# KiCad board Soldered Inkplate 4 TEMPERA with glass panel_panel.kicad_pcb (continued)
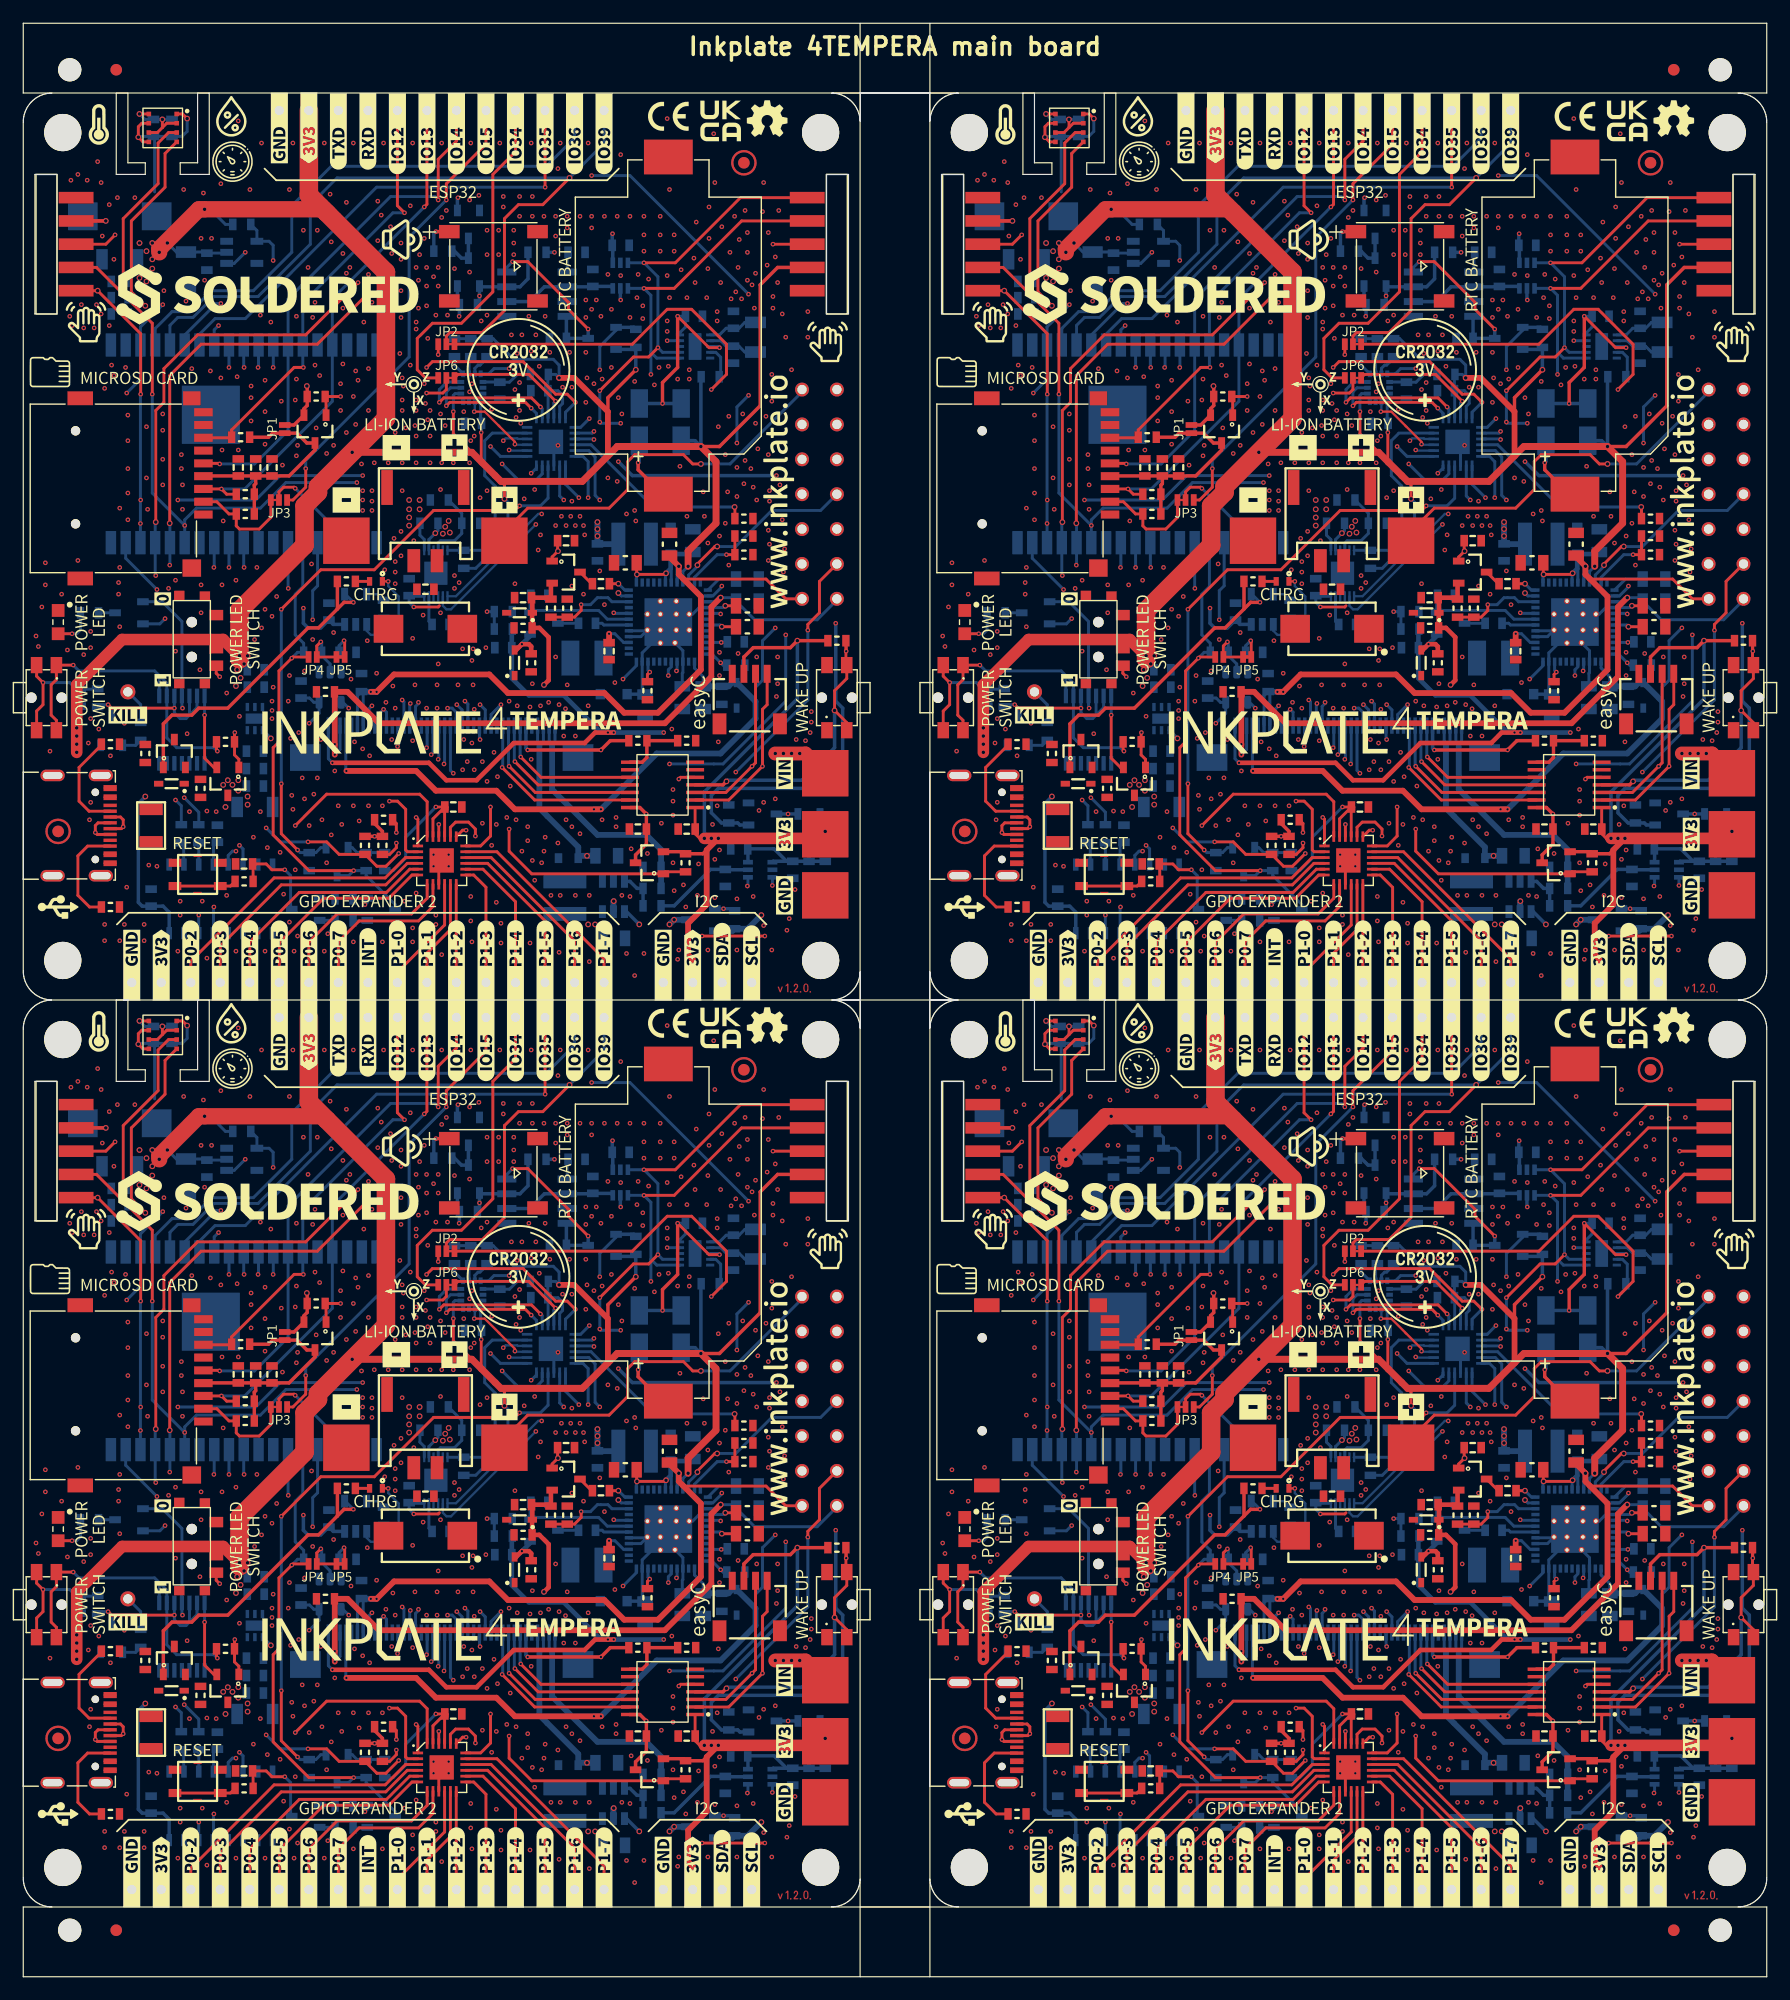
[diagram p0: board, top side]
## Routing (per net, layer and track width the routed paths; a pad name or vN(x,y) marks a point on that pad's centre or on a via; arc(x,y) is an arc through that point) (continued)
  Bottom w0.254: Q3#2.3 110,14.2 107.5,16.7 R22#4.1 v1(106.43,17.12) 106,16.7 Q1#4.3 ; v1(101.1,35.4) 101.6,35.9 R45#3.1 102.13,36.68 101.4,37.4 101.4,40.9 102.05,41.55 U14#4.25
Board_3-GPIO_0_MOSFET: length 53.7
  Top w0.254: v1(120.7,48.5) 120.3,48.1 113.3,48.1 108.2,43 103.6,43 v1(100.2,39.6) ; v1(101.6,18.9) 100.2,20.3 v1(100.2,24.6)
  Bottom w0.254: v1(101.6,18.9) 101.83,18.68 R20#2.2 103.18,18.68 103.6,19.1 Q1#4.1 ; v1(100.2,39.6) v1(100.2,24.6) ; U13#3.10 123.15,49.15 122.5,48.5 v1(120.7,48.5)
Board_3-GPIO_36: length 137
  Top w0.254: SW3#4.2 148.85,29.85 v2(147.8,30.9) 147.8,32.6 148.85,33.65 SW3#4.2 148.78,34.88 R41.1 148.8,36.88 v1(148.8,36)
  Top w0.3: v2(138.5,24.8) 138.2,24.5 U10#4.4
  In1.Cu w0.254: v1(139.4,53.9) 141.6,51.7 141.6,38.1 143.7,36 v1(148.8,36) ; v1(140.4,66.7) v1(140.4,58) ; v1(126.9,76.9) 125.43,78.37 K25#2.1
  Bottom w0.254: v1(139.4,53.9) 139.4,57 v1(140.4,58) ; K25#2.1 125.43,80.13 123,77.7 104.5,77.7 101.1,74.3 101.1,70.3 97.8,67 94.2,67 92.4,65.2 90.8,65.2 89.35,63.75 U14#4.4 ; v1(126.9,76.9) 130.2,76.9 v1(140.4,66.7)
  Bottom w0.3: v2(147.8,30.9) 147.8,27.7 145,24.9 138.6,24.9 v2(138.5,24.8)
Board_3-GPIO_39: length 71.9
  Top w0.254: JP2#2.2 114.4,63.1 114.7,63.4 117.5,63.4 119.4,65.3 119.4,73.2 120.6,74.4 122.7,74.4 v2(125,76.7)
  Bottom w0.254: U14#4.5 90.62,64.02 91.3,64.7 92.6,64.7 94.4,66.5 98.2,66.5 102.7,71 102.7,74.4 105,76.7 v2(125,76.7) 127.97,79.67 K24#4.1
Board_3-GPOUT_FG: length 17.2
  Bottom w0.254: U5#3.12 R26#4.2 117.48,44.68 118.6,45.8 118.6,50.2 117.7,51.1 117.7,54.1 118.35,54.75 U13#3.17
Board_3-I2C_SCL: length 323.3
  Top w0.254: v2(88.5,65.7) 87.3,66.9 87.3,73 90.2,75.9 90.2,78.8 U19#3.4 ; v1(110.1,19.5) 110.1,19.1 109.53,18.53 R1#4.1 ; v1(131.4,69.4) 134.1,69.4 139.7,75 K43#2.1 ; v1(136.4,11.5) v1(141.8,11.5) ; v1(116.1,20.6) 115.8,20.6 U15#3.19 ; v1(88.1,58.1) 88.1,63.3 v2(84.4,67) K42.1 ; v1(121.7,56.9) 121.2,57.4 114.7,57.4 v1(114.4,57.1) ; v1(132.6,62.1) 131.8,61.3 130.5,61.3 v1(127.6,58.4) ; U10#4.2 138.7,23.2 v1(141.6,26.1) 141.6,31 142,31.4 K4.1
  In1.Cu w0.254: v2(84.4,67) 87.2,67 v2(88.5,65.7) ; v1(110.1,19.5) 111.08,20.48 115.98,20.48 v1(116.1,20.6) 118.7,20.6 120.1,19.2 120.1,14.4 123,11.5 v1(136.4,11.5) ; v1(134.2,34.3) 134.2,33.5 145.3,22.4 145.3,18.7 v1(142.45,15.85) 142.45,12.15 140.67,10.37 K6#2.1 ; v1(127.6,55.7) 127.9,55.4 127.9,54 122.1,48.2 v1(122.1,46.9) ; v1(127.6,58.4) 127.3,58.1 122.4,58.1 121.7,57.4 v1(121.7,56.9) 121.7,53.9 118.9,51.1 v1(107.2,51.1) ; v1(104.5,20.2) 98.6,20.2 97.6,21.2 91.68,21.2 88.4,24.47 88.4,33.5 86.9,35 86.9,43.4 88.08,44.58 v1(88.08,46.98) ; K1.6 146.6,56.9 135,56.9 133.7,55.6 v1(129.4,55.6) ; v1(91.3,49) v1(88.1,49)
  In2.Cu w0.254: v1(110.1,19.5) 105.2,19.5 v1(104.5,20.2)
  Bottom w0.2: U5#3.2 114.1,39.9 114.4,39.6 114.8,39.6 v1(122.1,46.9)
  Bottom w0.254: U16.3 v1(131.4,69.4) 132.6,68.2 v1(132.6,62.1) 133,61.7 U8#4.7 ; v1(91.3,49) 98,49 100.1,51.1 v1(107.2,51.1) ; v1(127.6,58.4) v1(127.6,55.7) 127.7,55.6 v1(129.4,55.6) ; U17#4.13 114.75,58.65 114.4,58.3 v1(114.4,57.1) ; v1(88.1,58.1) 88.08,58.08 v1(88.08,46.98) U14#4.36 ; U13#3.19 122.15,56.45 v1(121.7,56.9) ; v1(134.2,34.3) 134.25,34.35 U1#3.17 ; U9#3.3 v1(142.45,15.85)
Board_3-I2C_SCL_B: length 15.8
  Top w0.254: U10#4.13 122,23.2 v1(119.2,26)
  Bottom w0.254: v1(119.2,26) 119.25,26.05 K12#3.10
Board_3-I2C_SDA: length 316.9
  Top w0.254: K42.2 84.3,69 89.1,64.2 v1(89.1,58.1) ; K43#2.2 139.8,73 134,67.2 v1(131.4,67.2) ; v1(113.8,57.4) 114.18,57.78 121.72,57.78 v1(122.5,57) ; 86.6,66.7 86.6,73.2 89.6,76.2 89.6,79.7 90.5,80.6 U19#3.3 ; K4.2 141,26.4 v1(140.7,26.1) 138.45,23.85 U10#4.3 ; v1(110.3,18.6) 109.2,17.5 108.43,17.5 R2#2.1 105.18,18.53 104.1,19.6 v1(102.5,19.6) ; v1(116.9,20.1) 116.9,20.7 116.3,21.3 115.2,21.3 114.75,20.85 U15#3.20
  In1.Cu w0.254: 129.05,56.85 129,56.8 122.7,56.8 v1(122.5,57) ; 129.05,56.85 v1(132,59.8) ; 129.05,56.85 128.5,56.3 128.5,53.8 ; 128.5,53.8 129.4,54.7 141.3,54.7 142,54 146.5,54 K1.5 ; 128.5,53.8 122.6,47.9 v1(122.6,47.8) ; v1(98.9,20.8) 98,21.7 91.88,21.7 89.2,24.38 89.2,33.8 87.6,35.4 87.6,42.6 91.81,46.81 v1(91.89,46.81) ; 138.7,10.9 140.3,12.5 v1(140.3,15.8) 144.5,20 144.5,22.3 133.5,33.3 v1(133.5,33.9) ; 138.7,10.9 122.9,10.9 119.6,14.2 119.6,18.8 118.3,20.1 111.8,20.1 v1(110.3,18.6) ; 138.7,10.9 138.13,10.33 K7.1 ; 125,56.8 125,56.5 119,50.5 v1(106.7,50.5)
  Bottom w0.2: U5#3.1 115.23,40.72 122.3,47.8 v1(122.6,47.8)
  Bottom w0.254: v1(122.5,57) 122.65,56.85 U13#3.20 ; U9#3.4 140.35,15.85 v1(140.3,15.8) ; v1(91.89,46.81) 89.1,49.6 v1(89.1,58.1) ; v1(91.89,46.81) U14#4.33 ; v1(91.89,46.81) 91.89,47.29 92.9,48.3 98.4,48.3 100.6,50.5 v1(106.7,50.5) ; 132,61.7 132,66.6 v1(131.4,67.2) U16.4 ; 132,61.7 132.5,61.2 U8#4.6 ; 132,61.7 v1(132,59.8) ; v1(133.5,33.9) 133.5,34.4 133.75,34.65 U1#3.18 ; v1(113.8,57.4) 113.8,58.5 114.45,59.15 U17#4.14 ; v1(98.9,20.8) 100.1,19.6 v1(102.5,19.6)
Board_3-I2C_SDA_B: length 14.9
  Top w0.254: U10#4.12 122.05,23.85 v1(119.8,26.1)
  Bottom w0.254: v1(119.8,26.1) 119.75,26.15 K12#3.9
Board_3-INT: length 21.9
  In1.Cu w0.254: v1(125.8,49.2) 126.6,50 131.4,50 138.1,43.3 v1(138.1,41.6)
  Bottom w0.254: v1(125.8,49.2) 124.65,50.35 U13#3.7 ; U1#3.2 137.33,40.75 138.1,41.52 v1(138.1,41.6)
Board_3-INT1_LSM: length 11.2
  In1.Cu w0.254: v1(119.3,54.1) 119.3,57.4 119.8,57.9 v1(119.8,60.3)
  Bottom w0.2: v1(119.3,54.1) 119.5,54.3 120.5,54.3 120.55,54.25 U13#3.16
  Bottom w0.254: v1(119.8,60.3) 118.5,60.3 118.05,59.85 U17#4.4
Board_3-INT2_LSM: length 6.7
  Top w0.2: v1(120.3,53.8) 120.3,54 117.7,56.6 v1(116.8,56.6)
  Bottom w0.2: v1(120.3,53.8) 120.35,53.75 U13#3.15 ; U17#4.9 116.85,56.65 v1(116.8,56.6)
Board_3-INT_APDS: length 86.7
  Top w0.254: K42.3 85.1,71 v1(85.9,71.8) ; v1(142.5,71) K43#2.3
  In1.Cu w0.254: 118.9,60.3 119.6,61 132.5,61 v1(142.5,71) ; 118.9,60.3 118.8,60.2 118.8,52.5 v1(119.2,52.1) ; 118.9,60.3 118.4,59.8 114.6,59.8 112,62.4 110,62.4 100,72.4 93.1,72.4 92.5,71.8 v1(85.9,71.8)
  Bottom w0.254: U13#3.11 122.65,51.25 122.1,50.7 120.6,50.7 v1(119.2,52.1)
Board_3-MANUAL_RST: length 83.8
  Top w0.254: R32#2.2 97.78,17.66 C34#3.2 98.9,17.7 99.4,17.2 v1(100.5,17.2)
  In1.Cu w0.254: v1(100.5,17.2) 99.5,17.2 96.7,20 89.8,20 86.6,23.2 86.6,29.1 84.7,31 84.7,31.9 84.53,32.07 84.53,56.93 97.2,69.6 v1(99.5,69.6)
  Bottom w0.254: v1(99.5,69.6) 99.5,70.9 99.15,71.25 U4#3.4 98.1,72.17 R27#3.1 ; v1(100.5,17.2) 101,16.7 101,13.9 Q2.3
Board_3-Net-(C16-Pad1): length 1.8
  Bottom w0.254: C16#4.1 D6.3
Board_3-Net-(C17-Pad2): length 1.5
  Top w0.254: D7#4.3 126.9,41.8 C17.2
Board_3-Net-(C28-Pad1): length 2.5
  Bottom w0.254: U5#3.5 112.9,38.57 C28#2.1
Board_3-Net-(C33-Pad2): length 2.1
  Bottom w0.254: U6#4.4 94.37,19.24 C33#2.2
Board_3-Net-(C35-Pad2): length 11
  Top w0.254: SW2#2.2 79.15,30.85 79.7,31.4 v1(79.7,33.3) 79.15,33.85 SW2#2.2
  Bottom w0.254: v1(79.7,33.3) 82,33.3 82.57,32.73 C35#3.2 84.36,32.73 R37#2.1
Board_3-Net-(C43-Pad1): length 11.7
  Bottom w0.3: U9#3.1 142.53,17.93 C45#3.1 ; C45#3.1 143.67,17.93 142.6,19 C47#3.2 140.35,18.98 U9#3.6 ; C45#3.1 C44#3.1 ; C44#3.1 C43.1 ; C44#3.1 Q9#2.3
Board_3-Net-(C46-Pad2): length 2.6
  Top w0.254: v1(105.6,36.9) 105.65,36.85 JP5#3.2
  Bottom w0.254: v1(105.6,36.9) 105.17,36.47 C46#2.2
Board_3-Net-(C68-Pad2): length 1.7
  Bottom w0.254: U18#4.5 124.8,70.23 C68.2
Board_3-Net-(D8-Pad1): length 1.1
  Top w0.254: 106.68,42 D8#3.1
Board_3-Net-(D8-Pad2): length 8.7
  Top w0.2: v1(109.4,42) D8#3.2
  Bottom w0.2: U2#4.1 107.55,37.75 107.9,37.4 109.9,37.4 110.3,37.8 110.3,40.7 109.4,41.6 v1(109.4,42)
Board_3-Net-(D9-Pad1): length 3.5
  Top w0.254: v1(82.2,37.5) D9.1
  Bottom w0.254: v1(82.2,37.5) 82.6,37.5 82.93,37.82 R31#4.2
Board_3-Net-(D12-Pad1): length 6.2
  Top w0.3: 133.5,49 130.9,51.6 v1(130.9,52.2)
  Bottom w0.3: v1(130.9,52.2) 131,52.3 D12#4.1
Board_3-Net-(JP2-Pad3): length 34.5
  Top w0.254: JP2#2.3 130.4,62.4 133.4,65.4 135.5,65.4 138.5,62.4 138.5,59.8 v1(137.2,58.5)
  Bottom w0.254: v1(137.2,58.5) 137.88,59.17 R40#4.1 138,59.72 138,61.28 137.58,61.7 U8#4.4
Board_3-Net-(JP3-Pad1): length 9.3
  Top w0.254: JP3#4.1 99.3,47.5 98.3,46.5 96.6,46.5 96.33,46.78 R42.1 95.7,47.8 94.65,48.85 K10.2
Board_3-Net-(JP4-Pad2): length 6.1
  Top w0.254: JP5#3.1 JP4#4.2 103.25,36.45 v1(103.6,36.8)
  Bottom w0.254: U11.2 104.4,34.9 103.68,35.62 R45#3.2 103.68,36.72 v1(103.6,36.8)
Board_3-Net-(JP6-Pad3): length 29.4
  Top w0.254: K17#3.1 120.35,78.95 118.4,77 118.4,66.9 115.7,64.2 113.2,64.2 111.9,62.9 111.9,60.2 112.6,59.5 JP6#4.3
Board_3-Net-(K2-PadA5): length 8.7
  Top w0.254: K2#4.A5 83.66,22.24 82.8,23.1 82.8,26 84.73,27.93 R18.1
Board_3-Net-(K2-PadB5): length 9
  Top w0.254: K2#4.B5 83.54,19.24 82.7,18.4 82.7,15 83.7,14 R17#2.1
Board_3-Net-(K9-Pad1): length 3.1
  Bottom w0.254: K9#2.1 88.1,31.4 R33#3.2
Board_3-Net-(K15-Pad1): length 42.5
  Top w0.254: v1(122.9,75.9) 122.89,75.91 K15#4.1
  Bottom w0.254: U14#4.7 93.16,63.26 94.5,64.6 97.1,64.6 108.4,75.9 v1(122.9,75.9)
Board_3-Net-(K26-Pad1): length 25.1
  Top w0.254: U15#3.3 110.89,18.25 109.14,16.5 99.58,16.5 92.41,9.33 K26#3.1
Board_3-Net-(K27-Pad1): length 23.1
  Top w0.254: K27.1 94.95,10.65 100.2,15.9 109.19,15.9 111.04,17.75 U15#3.4
Board_3-Net-(K28-Pad1): length 20.5
  Top w0.254: K28.1 97.49,10.99 101.75,15.25 109.25,15.25 111.25,17.25 U15#3.5
Board_3-Net-(K29-Pad1): length 17.8
  Top w0.254: K29#3.1 100.03,10.93 103.85,14.75 109.45,14.75 111.45,16.75 U15#3.6
Board_3-Net-(K30-Pad1): length 16.4
  Top w0.254: U15#3.7 112.75,14.75 111.4,13.4 105,13.4 102.57,10.97 K30.1
Board_3-Net-(K31-Pad1): length 14.8
  Top w0.254: U15#3.8 113.25,14.05 112,12.8 106.9,12.8 105.11,11.01 K31#4.1
Board_3-Net-(K33-Pad1): length 10.1
  Top w0.254: U15#3.10 114.25,12.45 110.19,8.39 K33#2.1
Board_3-Net-(K34-Pad1): length 9.3
  Top w0.254: U15#3.11 114.75,12.05 112.73,10.03 K34#3.1
Board_3-Net-(K35-Pad1): length 8.5
  Top w0.254: U15#3.12 115.25,7.52 K35#4.1
Board_3-Net-(K36-Pad1): length 10.4
  Top w0.254: U15#3.13 116.75,16.75 117.81,15.69 K36#2.1
Board_3-Net-(K37-Pad1): length 12.4
  Top w0.254: U15#3.14 117.55,17.25 120.35,14.45 K37#2.1
Board_3-Net-(K38-Pad1): length 14.2
  Top w0.254: K38.1 122.89,12.81 117.95,17.75 U15#3.15
Board_3-Net-(K39-Pad1): length 15.9
  Top w0.254: U15#3.16 118.25,18.25 125.43,11.07 K39#2.1
Board_3-Net-(K40-Pad1): length 17.8
  Top w0.254: K40.1 127.97,9.53 118.75,18.75 U15#3.17
Board_3-Net-(K41-Pad1): length 20.1
  Top w0.254: R55#2.2 110.1,21.18 v1(110.1,20.4) ; U15#3.22 v1(113.75,21.1)
  In1.Cu w0.254: K41#2.1 107.65,13.25 108.7,14.3 108.7,19 v1(110.1,20.4) 110.8,21.1 v1(113.75,21.1)
Board_3-Net-(Q1-Pad2): length 3.3
  Bottom w0.254: Q1#4.2 106.3,19.1 106.73,18.68 R22#4.2 R21#2.1
Board_3-Net-(Q2-Pad1): length 1.3
  Bottom w0.254: Q2.1 104.78,14.75 R29#3.1
Board_3-Net-(Q3-Pad1): length 1.2
  Bottom w0.254: R30.1 107.55,12.8 Q3#2.1
Board_3-Net-(Q4-Pad2): length 10.9
  Top w0.254: S1#4.3 94.6,34.1 v1(94.9,33.8)
  In1.Cu w0.254: v1(90.2,38.8) 91.9,37.1 93.2,37.1 94.9,35.4 v1(94.9,33.8)
  Bottom w0.254: Q4#2.2 89.75,38.35 v1(90.2,38.8)
Board_3-Net-(Q4-Pad3): length 1.4
  Bottom w0.254: R31#4.1 Q4#2.3
Board_3-Net-(Q5-Pad1): length 1.7
  Bottom w0.254: Q5#2.1 87.68,27.9 R33#3.1
Board_3-Net-(Q5-Pad3): length 14.7
  Top w0.254: v1(85.3,31.4) 85.6,31.1 v1(91,31.1)
  Bottom w0.254: 92.3,30.5 92,30.2 91.5,30.2 91,30.7 v1(91,31.1) U7#4.10 ; 92.3,30.5 92.95,31.15 U7#4.13 ; 92.3,30.5 U7#4.12 ; R37#2.2 84.58,31.4 v1(85.3,31.4) 85.6,31.1 Q5#2.3
Board_3-Net-(Q14-Pad3): length 3.4
  Bottom w0.3: Q15#2.3 Q14.3 115.7,69.8 115.1,70.4 R62.1
Board_3-Net-(R23-Pad1): length 1.7
  Bottom w0.2: U2#4.5 108.48,40.9 R23.1
Board_3-Net-(R32-Pad1): length 5.4
  Top w0.254: R32#2.1 95.83,15.8 90.95,15.8
Board_3-Net-(R36-Pad1): length 28.2
  Top w0.254: v1(82.3,34.8) SW2#2.1 80.85,33.55 80.4,33.1 80.4,30.5 80.85,30.05 SW2#2.1 ; R36#2.1 94.63,27.47 v1(94.7,27.4)
  Bottom w0.254: 89.7,33.9 89.3,34.3 82.8,34.3 v1(82.3,34.8) ; 89.7,33.9 U7#4.8 ; 89.7,33.9 90.35,33.25 U7#4.9 90.35,28.55 91.2,27.7 94.4,27.7 v1(94.7,27.4)
Board_3-Net-(R46-Pad1): length 5.7
  Top w0.3: R47.1 R46.1 131.65,26.85 131.25,26.45 U10#4.8
Board_3-Net-(R49-Pad2): length 3.3
  Bottom w0.3: U12#3.3 130.2,16.2 130.8,15.6 R49#4.2 R50#2.1
Board_3-Net-(R56-Pad2): length 1.8
  Bottom w0.254: U17#4.1 115.1,60.6 R56#4.2
Board_3-Net-(R57-Pad2): length 1.5
  Bottom w0.254: U17#4.2 116.35,61.17 R57#3.2
Board_3-Net-(R58-Pad2): length 2
  Bottom w0.254: R58.2 117.9,61.2 117.3,60.6 117.13,60.6 116.85,60.32 U17#4.3
Board_3-Net-(R62-Pad2): length 2.9
  Top w0.3: U20#4.1 v1(113.5,72.08)
  Bottom w0.3: R62.2 113.33,71.91 v1(113.5,72.08)
Board_3-OUT: length 18.8
  In1.Cu w0.3: v1(117.25,66.55) 117.25,73.15 v1(115.4,75)
  Bottom w0.3: v1(115.4,75) 115.35,74.95 Q15#2.1 ; R61#3.1 117.25,65.97 Q14.1 117.32,67.33 U18#4.3 120.74,67.33 121.43,68.03 R59#3.2
Board_3-POT_A: length 9.7
  Bottom w0.3: U18#4.2 121.57,66.06 122.84,67.33 U18#4.6 126.97,67.33 C62.2 128.55,67.37 U16.6
Board_3-POT_W: length 9.1
  In1.Cu w0.3: v1(123.7,70.3) 124,70.3 128.1,66.2 v1(129.4,66.2)
  Bottom w0.3: R59#3.1 v1(123.7,70.3) ; U16.5 129.37,66.23 v1(129.4,66.2)
Board_3-PWR_GOOD: length 23.7
  In1.Cu w0.254: v1(129.6,33.6) 123.2,40 123.2,47.7 v1(124.5,49)
  Bottom w0.254: v1(129.6,33.6) 130.75,34.75 U1#3.24 ; U13#3.8 124.15,49.35 v1(124.5,49)
Board_3-PWRUP: length 24.3
  Top w0.254: v1(131.9,34.2) 131.7,34 R5#3.1
  In1.Cu w0.254: v1(127.6,49) 130,46.6 130,36.1 v1(131.9,34.2)
  Bottom w0.254: v1(127.6,49) 127.2,49.4 127.2,52.7 126.65,53.25 U13#3.5 ; U1#3.22 131.75,34.35 v1(131.9,34.2)
Board_3-RST: length 123.6
  Top w0.254: v1(125.5,57.4) 124.8,58.1 123.8,58.1 121,60.9 113.2,60.9 v1(112.7,60.4) ; U15#3.24 112.75,23.05 112.1,23.7 104.1,23.7 v1(101.4,21)
  In1.Cu w0.254: v1(112.7,60.4) 112.4,60.1 110,60.1 99.8,70.3 v1(97.1,70.3) 94.5,70.3 v1(90,65.8) ; v1(86.9,58.2) 85.5,56.8 85.5,32 87.5,30 87.5,23.5 90.4,20.6 97.2,20.6 v1(97.8,20)
  In2.Cu w0.254: v1(101.4,21) 100.4,20 v1(97.8,20)
  Bottom w0.254: v1(97.1,70.3) 96.15,69.35 U4#3.1 ; v1(125.5,57.4) 124.65,56.55 U13#3.24 ; v1(86.9,58.2) 88.08,59.38 U14#4.3 88.08,63.88 v1(90,65.8)
Board_3-RXD: length 77.5
  Top w0.254: v2(90.6,47) 90.6,59.7 93.3,62.4 103.3,62.4 107.7,66.8 v1(107.7,68.4)
  In1.Cu w0.254: v1(90.6,43.4) 89.3,43.4 88.3,42.4 88.3,35.9 89.7,34.5 89.7,24.6 v1(91.1,23.2) ; K18#3.1 107.65,68.45 v1(107.7,68.4)
  Bottom w0.254: R35.2 91.6,22.7 v1(91.1,23.2) ; v2(90.6,47) 90.62,46.98 U14#4.34 90.62,43.42 v1(90.6,43.4)
Board_3-SD_ENABLE: length 21.1
  Top w0.254: v1(105.3,57.9) R39#3.2 104.05,57.83 Q8#3.1
  In1.Cu w0.254: v1(105.3,57.9) 109.6,53.6 v1(118.2,53.6)
  Bottom w0.254: v1(118.2,53.6) 119.05,52.75 U13#3.13
Board_3-SPI_CS: length 8.3
  Top w0.254: JP3#4.2 100,49.7 100.4,50.1 101.3,50.1 v1(101.4,50)
  Bottom w0.254: v1(101.4,50) 104.59,46.81 U14#4.23
Board_3-SPI_MISO: length 38.1
  Top w0.254: v1(110.8,73.7) 110.19,74.31 K20#3.1 ; v1(102.1,60.4) 101.3,60.4 95.93,55.03 R44.1 95.88,54.35 K10.7
  Bottom w0.254: v1(102.1,60.4) 102.05,60.45 U14#4.14 102.05,65.95 109.8,73.7 v1(110.8,73.7)
Board_3-SPI_MOSI: length 44.1
  Top w0.254: v1(112.5,74.2) 112.73,74.43 K21#2.1 ; R43#3.1 95.5,49.5 v1(95.05,49.95) K10.3
  Bottom w0.254: v1(95.05,49.95) 97.05,49.95 104.59,57.49 U14#4.16 104.59,66.29 v1(112.5,74.2)
Board_3-SPI_SCK: length 44.8
  Top w0.254: v1(94.9,52.1) 94.85,52.15 K10.5 ; v1(113.7,74.8) 113.7,78.3 115.27,79.87 K19#2.1
  Bottom w0.254: v1(94.9,52.1) 97.9,52.1 100.78,54.98 U14#4.13 100.78,66.28 109.6,75.1 113.4,75.1 v1(113.7,74.8)
Board_3-SW_IN: length 6.5
  Top w0.254: v1(93.6,30.5) 93.6,26.8 94.4,26 94.45,26
  Bottom w0.254: U7#4.14 v1(93.6,30.5)
Board_3-SW_OUT_D: length 20.1
  Top w0.254: Q6#2.1 96.55,26.7 96.18,27.07 R36#2.2 96.18,28.97 v1(96.2,29)
  In1.Cu w0.254: v1(91.7,31.1) 94.1,31.1 v1(96.2,29)
  Bottom w0.254: Q4#2.1 89.95,40.25 91.65,38.55 U7#4.11 91.65,31.15 v1(91.7,31.1)
Board_3-TOUCH_EN: length 28.9
  Top w0.254: v1(111.8,21.7) 111.95,21.55 U15#3.1 ; v1(119.8,20.7) 119.8,18.8 121.75,16.85 Q11#2.1 133.25,17.03 R52#3.2
  In1.Cu w0.254: v1(111.8,21.7) 118.8,21.7 v1(119.8,20.7)
Board_3-TOUCH_INT_B: length 13.8
  Top w0.254: v1(120.3,26.5) 122.3,24.5 U10#4.11
  Bottom w0.254: K12#3.8 120.25,26.55 v1(120.3,26.5)
Board_3-TOUCH_RESET: length 33.5
  Top w0.254: U15#3.2 111.05,18.75 110.9,18.9 110.9,22.4 110.2,23.1 v1(109.5,23.1) ; v1(134.4,25) 134.55,25.15 U10#4.5
  In1.Cu w0.254: v1(134.4,25) 123.3,25 122,23.7 110.1,23.7 v1(109.5,23.1)
Board_3-TOUCH_RESET_B: length 12.9
  Top w0.254: v1(120.8,26.9) 122.55,25.15 U10#4.10
  Bottom w0.254: K12#3.7 120.75,26.95 v1(120.8,26.9)
Board_3-TXD: length 76.8
  Top w0.254: v2(89.4,47.1) 89.4,56.7 90.1,57.4 90.1,60.3 93,63.2 102.3,63.2 v1(106.8,67.7)
  In1.Cu w0.254: v1(106.8,67.7) 106.8,76.7 105.11,78.39 K16#2.1 ; v1(89.4,42.5) 88.9,42 88.9,36.4 90.3,35 90.3,24.95 v1(91.85,23.4)
  Bottom w0.254: v2(89.4,47.1) 89.35,47.05 U14#4.35 89.35,42.55 v1(89.4,42.5) ; R34#2.2 93.1,22.15 v1(91.85,23.4)
Board_3-VBAT: length 40.3
  Top w0.254: 113.8,39.9 113.7,39.8 v1(111.6,39.8) ; v2(136.3,52.1) 135.6,52.1 134.8,52.9 130.6,52.9 130,52.3 130,49.9 128.4,48.3 121.4,48.3 119.33,46.22
  Bottom w0.254: U5#3.8 112.9,45.6 v2(113.45,46.15) 113.68,46.38 R24#4.2 ; U5#3.6 111.25,40.72 C29.2 111.2,40.2 v1(111.6,39.8) ; K1.8 145,58.3 138.8,52.1 v2(136.3,52.1)
  vias: v2(114.1,46.1) v2(114.3,46.7) v2(114.6,47.2) v2(114.7,46.2)
Board_3-VCOM: length 73.8
  Top w0.5: v1(127.7,22.4) 120.3,22.4 118.7,24 113.5,24 111.8,25.7 v1(105.8,25.7)
  In1.Cu w0.254: v1(142.7,38) 142.7,48.5 143.7,49.5 K1.11
  Bottom w0.254: v1(105.8,25.7) 105.75,25.75 K12#3.37 ; 141,31.67 141,32.9 141.6,33.5 141.6,36.9 v1(142.7,38) ; U1#3.14 135.75,34.55 136.5,33.8 C7#2.2
  Bottom w0.5: v1(127.1,22.4) v1(127.7,22.4) 132.5,27.2 138,27.2 141,30.2 141,31.67 D4#3.1 139,33.3 138.68,32.97 R9.2 C7#2.2
Board_3-VCOM_CTRL: length 28.4
  In1.Cu w0.254: v1(138,35) 137.2,35.8 137.2,43.4 131.1,49.5 126.9,49.5 v1(126.6,49.2)
  Bottom w0.254: U13#3.6 126.15,52.75 126.6,52.3 v1(126.6,49.2) ; R4.1 138.2,34.8 137.25,35.75 U1#3.12
Board_3-VDDH: length 70.8
  Top w0.254: K1.2 146.5,42 146.5,39.3 145.5,38.3 v1(145.5,37.8)
  Top w0.4: D7#4.2 123.4,41.75 R15#3.2 123.28,40.6 C15#4.2 121.8,40.53 D3#2.2 121.78,39.28 R8#3.2 122.4,38 123.2,37.2 123.2,33.5 v2(122.8,33.1)
  In2.Cu w0.254: 122,32.4 124.1,32.4 130.9,25.6 v1(139.3,25.6)
  In2.Cu w0.4: v2(122.8,33.1) 122.1,32.4 109.1,32.4 v1(108,31.3)
  Bottom w0.254: v1(145.5,37.8) 145.5,31.8 v1(139.3,25.6) ; v1(108,31.3) 107.75,31.05 K12#3.33
Board_3-VEE: length 81.1
  Top w0.4: v1(104.6,26.4) 112.9,26.4 114.4,24.9 117,24.9 120.2,28.1 126.3,28.1 127.2,29 v1(128.8,29) ; R10.2 121.7,36.4 121.5,36.6 v1(120.9,36.6) 120.4,36.1 D5.1
  In1.Cu w0.254: K1.13 143.6,42.1 v1(143.6,37.4) ; v1(133.6,26.3) 133.1,26.8 v1(133.1,29)
  Bottom w0.254: v1(104.6,26.4) 104.25,26.75 K12#3.40 ; v1(133.6,26.3) 138.2,26.3 143.6,31.7 v1(143.6,37.4)
  Bottom w0.4: C14#4.2 120.03,37.85 R13.2 ; C14#4.2 120.6,36.3 121.6,37.3 D6.1 ; C14#4.2 120.03,33.67 121.5,32.2 124.5,32.2 127.7,29 v1(128.8,29) v1(133.1,29)
  vias: v1(128.3,29)
Board_3-VIN: length 153.3
  Top w0.5: C9#4.2 v1(128.4,37.5)
  Top w1.2: PAD3#4.1 145.3,27.2 v2(142.7,27.2)
  In2.Cu w0.4: v1(138.05,36.75) 138.9,35.9 138.9,31.7 136.9,29.7 134.9,29.7
  In2.Cu w0.5: v2(141.5,13.3) 141.5,18.1 144.7,21.3 144.7,25.2 v2(142.7,27.2) ; 126.9,37.7 128.2,37.7 v1(128.4,37.5)
  In2.Cu w1.2: 114.2,37.7 111.9,35.4 106.5,35.4 96,24.9 v2(96,24.5) ; 114.2,37.7 119.5,43 125.4,43 127.4,45 v2(127.4,47.1) ; 114.2,37.7 126.9,37.7 137.4,27.2 144.6,27.2 ; v2(127.4,47.1) v2(127.4,46.5) ; v2(127.4,47.1) 141.7,61.4 146.6,61.4 148,60 K1.7
  Bottom w0.254: v1(138.05,36.75) 138.1,36.8 C6#2.2 138.52,36.75 v1(138.05,36.75) ; v1(138.05,36.75) U1#3.10 ; v1(128.4,37.5) 128.9,37.5 129.65,36.75 U1#3.27
  Bottom w0.3: v2(99.3,28.5) 99.29,28.5 U3#4.4
  Bottom w0.5: v2(127.4,47.1) C10.2 127.43,45.2 L2#4.1 ; v2(141.5,13.3) 140.33,12.12 R53#4.2 139.03,11.95 Q12#3.2
  vias: v2(95.2,24.5) v2(95.4,22.6) v2(95.6,24.9) v2(96.5,24.9) v2(96.5,24) v2(97.3,23.5) v2(97.3,22.8) v2(127.4,45.9) v2(143.4,27.2) v2(144.1,27.2) v2(144.8,27.2)
Board_3-VIN_BCK: length 11
  In1.Cu w0.5: v2(126.6,12.5) v2(131,12.5) v2(133.6,12.5) v2(134,12.9)
  Bottom w0.3: v2(131,12.5) 129.9,13.6 U12#3.4
  Bottom w0.5: Q12#3.3 v2(134,12.9) v2(133.6,12.5)
  vias: v2(127.2,12.5)
Board_3-VNEG: length 65.1
  Top w0.5: v2(138,40.6) 137.2,39.8 137.2,33.8 133.2,29.8 108.6,29.8 105.9,32.5 R6#2.1 104.8,32.47 v1(104.8,28) v1(104.8,27.1)
  Bottom w0.254: 137.8,40.6 139.03,40.6 C2#2.2 140.92,38.7 146.3,38.7 148,40.4 K1.1 ; 137.8,40.6 137.45,40.25 U1#3.3 ; 137.8,40.6 v2(138,40.6) ; K12#3.39 104.75,28.05 v1(104.8,28) ; K12#3.38 105.25,27.55 v1(104.8,27.1)
Board_3-VPOS: length 62.7
  Top w0.254: K1.14 143.6,40.5 141.9,42.2 134.8,42.2 134.75,42.25
  Top w0.5: v1(107.9,32.5) v1(108.4,32.5) 109.9,34 118.1,34 119.7,32.4 128,32.4 129.7,30.7 132.6,30.7 136.3,34.4 136.3,40.7 134.4,42.6 v2(134.4,43.3) 133.5,44.2
  Bottom w0.254: U1#3.44 134.25,43.15 v2(134.4,43.3) ; K12#3.34 107.25,32.38 R7#3.1 106.75,32.18 K12#3.35
  Bottom w0.5: R7#3.1 107.13,32.5 v1(108.4,32.5)
Board_3-VSYS: length 36.4
  In2.Cu w1.2: 111,48.6 v1(102.1,39.7) 98.5,36.1 98.5,33.7 93.7,28.9 v1(92.1,28.9)
  Bottom w0.254: R24#4.1 112.13,45.97 112.5,45.6 U5#3.7
  Bottom w0.3: U2#4.3 104.67,38.3 C67#2.2 104.27,38.67 103.6,38 102.5,38 102.1,38.4 v1(102.1,39.7)
  vias: v2(111.2,49) v2(111.2,48.2) v2(111.2,47.5) v2(111.2,46.8) v2(112.1,49) v2(112.1,48.2)
Board_3-VUSB: length 42
  Top w0.3: v1(106.4,40.2) 105.6,40.2 105.03,39.62 ; 105.03,39.62 R19#4.1 ; 105.03,39.62 103.4,38 102.5,38 95.6,31.1 93.1,31.1 92.5,30.5 90.8,30.5 90.05,29.75 Q7#2.1
  Bottom w0.254: v1(106.4,40.2) 105.7,40.9 U2#4.4
  Bottom w0.3: U6#4.16 90.56,13.54 90.03,14.07 C32.2 88.23,14.07 87.9,14.4 87.9,22.9 v2(88.5,23.5)
Board_3-WAKEUP: length 28.5
  Top w0.254: v2(139.2,48.4) 139.23,48.38 R3#3.1
  In1.Cu w0.254: v2(139.2,48.4) 139.6,48 139.6,40.1 138.7,39.2 v1(138,39.2)
  Bottom w0.254: U1#3.5 137.95,39.25 v1(138,39.2) ; U13#3.4 126.85,53.75 132.2,48.4 v2(139.2,48.4)

## Copper pours and planes (outline as drawn; the poured copper is in the pictures)
Board_0-3V3 on Top: 12.8,149.5 12.8,148.6 11.8,146.7 10.8,144.9 9.9,144.9 9.6,145.2 9.6,149 9.9,149.5
Board_0-3V3 on Top: 19.7,111.9 18.6,110.7 18.2,110.7 18,110.9 18,113.6 18.3,113.9 19.4,113.9 19.7,113.6
Board_0-3V3 on Bottom: 19.7,113.6 19.7,110.4 19.5,109.7 19.5,108.9 19.1,108.9 19.1,109.7 18,110.9 18,113.6 18.3,113.9 19.4,113.9
Board_0-3V3 on Bottom: 12.8,148.6 9.5,142.5 9.3,141.9 9.3,139.3 8.4,139.3 8.4,141.9 8.6,142.4 8.6,148.5 10.2,152.6 12.8,152.6
Board_0-/POWER/VB_SW on Bottom: 56.2,125.1 56.2,124.2 55.3,124.2 54.7,123.3 54.7,121.3 54.4,120.3 54.4,119.6 54.1,119.6 54.1,120.3 53.4,121.3 53.4,125.1
Board_0-/POWER/VN_SW on Bottom: 51.7,113.9 52.4,113.9 52.4,113.6 51.7,113.6 50.7,113.1 50.7,111.9 50.1,110.8 50.1,109.8 49.2,109.8 49.2,110.8 49.1,111.9 49.1,114.9 50.7,114.9
Board_0-GND on Top, Bottom, In1.Cu, In2.Cu: 72,84 0,84 0,162 72,162
Board_0-Net-(D13-Pad1) on Bottom: 46.4,96 47,94.8 50.2,94.8 50.2,93.6 44.7,93.6 44.7,94.8 45.7,95.9 45.7,96.6 46.4,96.6
Board_0-Net-(F1-Pad2) on Top: 12,97.1 11.2,96.3 6.9,96.3 6.9,96.8 8.1,96.8 10,98.1 12,98.1
Board_0-Net-(F1-Pad2) on Top: 9.6,100.8 9.6,98.6 10,98.1 12,98.1 12,97.1 9,97.1 9,100.5 8,101.2 6.9,101.2 6.9,101.7 8.3,101.7
Board_0-SW_IN on Top: 16.95,103.45 15.8,102.3 13.45,102.3 13.45,102.85 13.6,103.1 13.6,104.5 16.95,104.5
Board_0-VBAT on Top: 43.4,121.5 39.1,119.1 39.1,114.7 36.5,114.7 35,118.8 35,125.2 35.3,125.5 43.4,125.5
Board_0-VBAT on Bottom: 37,125.2 37,124 36.1,123.7 35.4,123.7 35.2,123.9 35.2,125.4 35.3,125.5 36.7,125.5
Board_0-VIN on Top, In2.Cu: 19.6,102.8 19.6,100.7 19.2,100.3 17.3,100.3 16.9,100.7 14.95,100.7 14.75,100.95 14.75,101.75 15.8,101.75 17.3,103.2 19.2,103.2
Board_0-VIN on Bottom: 19.5,106.8 19.6,106.5 19.6,100.7 18.9,99.7 17.9,99.7 16.9,100.7 16.9,104.8 18.8,105.9 19.1,106.8 19.1,107.5 19.5,107.5
Board_0-VIN_BCK on Bottom: 50.2,92.2 50.2,91 50.3,90.3 50.3,88.6 49.4,88.6 44.7,90.8 44.7,92.2
Board_0-VSYS on Top: 15.3,107.8 15.3,106.2 15,105.9 12.7,105.9 12.7,107.8 13,108.1 15,108.1
Board_0-VSYS on Bottom: 35.4,126.5 34.5,125.6 34.5,124.5 33.1,124.5 32.7,124.9 32.7,127.1 33.1,127.5 35.4,127.5
Board_0-VSYS on In2.Cu: 34.8,127.3 34.8,125.9 33.4,124.5 33.1,124.5 32.7,124.9 32.7,127.1 33.1,127.5 34.6,127.5
Board_0-VUSB on Top: 11.6,104.5 12.4,104.5 12.4,103.4 12.05,102.9 12.05,102.25 12,102.1 12,99.9 10,99.9 10,104.8 11,104.8
Board_1-3V3 on Top: 90.8,149.5 90.8,148.6 89.8,146.7 88.8,144.9 87.9,144.9 87.6,145.2 87.6,149 87.9,149.5
Board_1-3V3 on Top: 97.7,111.9 96.6,110.7 96.2,110.7 96,110.9 96,113.6 96.3,113.9 97.4,113.9 97.7,113.6
Board_1-3V3 on Bottom: 97.7,113.6 97.7,110.4 97.5,109.7 97.5,108.9 97.1,108.9 97.1,109.7 96,110.9 96,113.6 96.3,113.9 97.4,113.9
Board_1-3V3 on Bottom: 90.8,148.6 87.5,142.5 87.3,141.9 87.3,139.3 86.4,139.3 86.4,141.9 86.6,142.4 86.6,148.5 88.2,152.6 90.8,152.6
Board_1-/POWER/VB_SW on Bottom: 134.2,125.1 134.2,124.2 133.3,124.2 132.7,123.3 132.7,121.3 132.4,120.3 132.4,119.6 132.1,119.6 132.1,120.3 131.4,121.3 131.4,125.1
